# Altium PCB DMP_SEM_MAIN_PCB.PcbDoc (part 1 of 2) (continued)
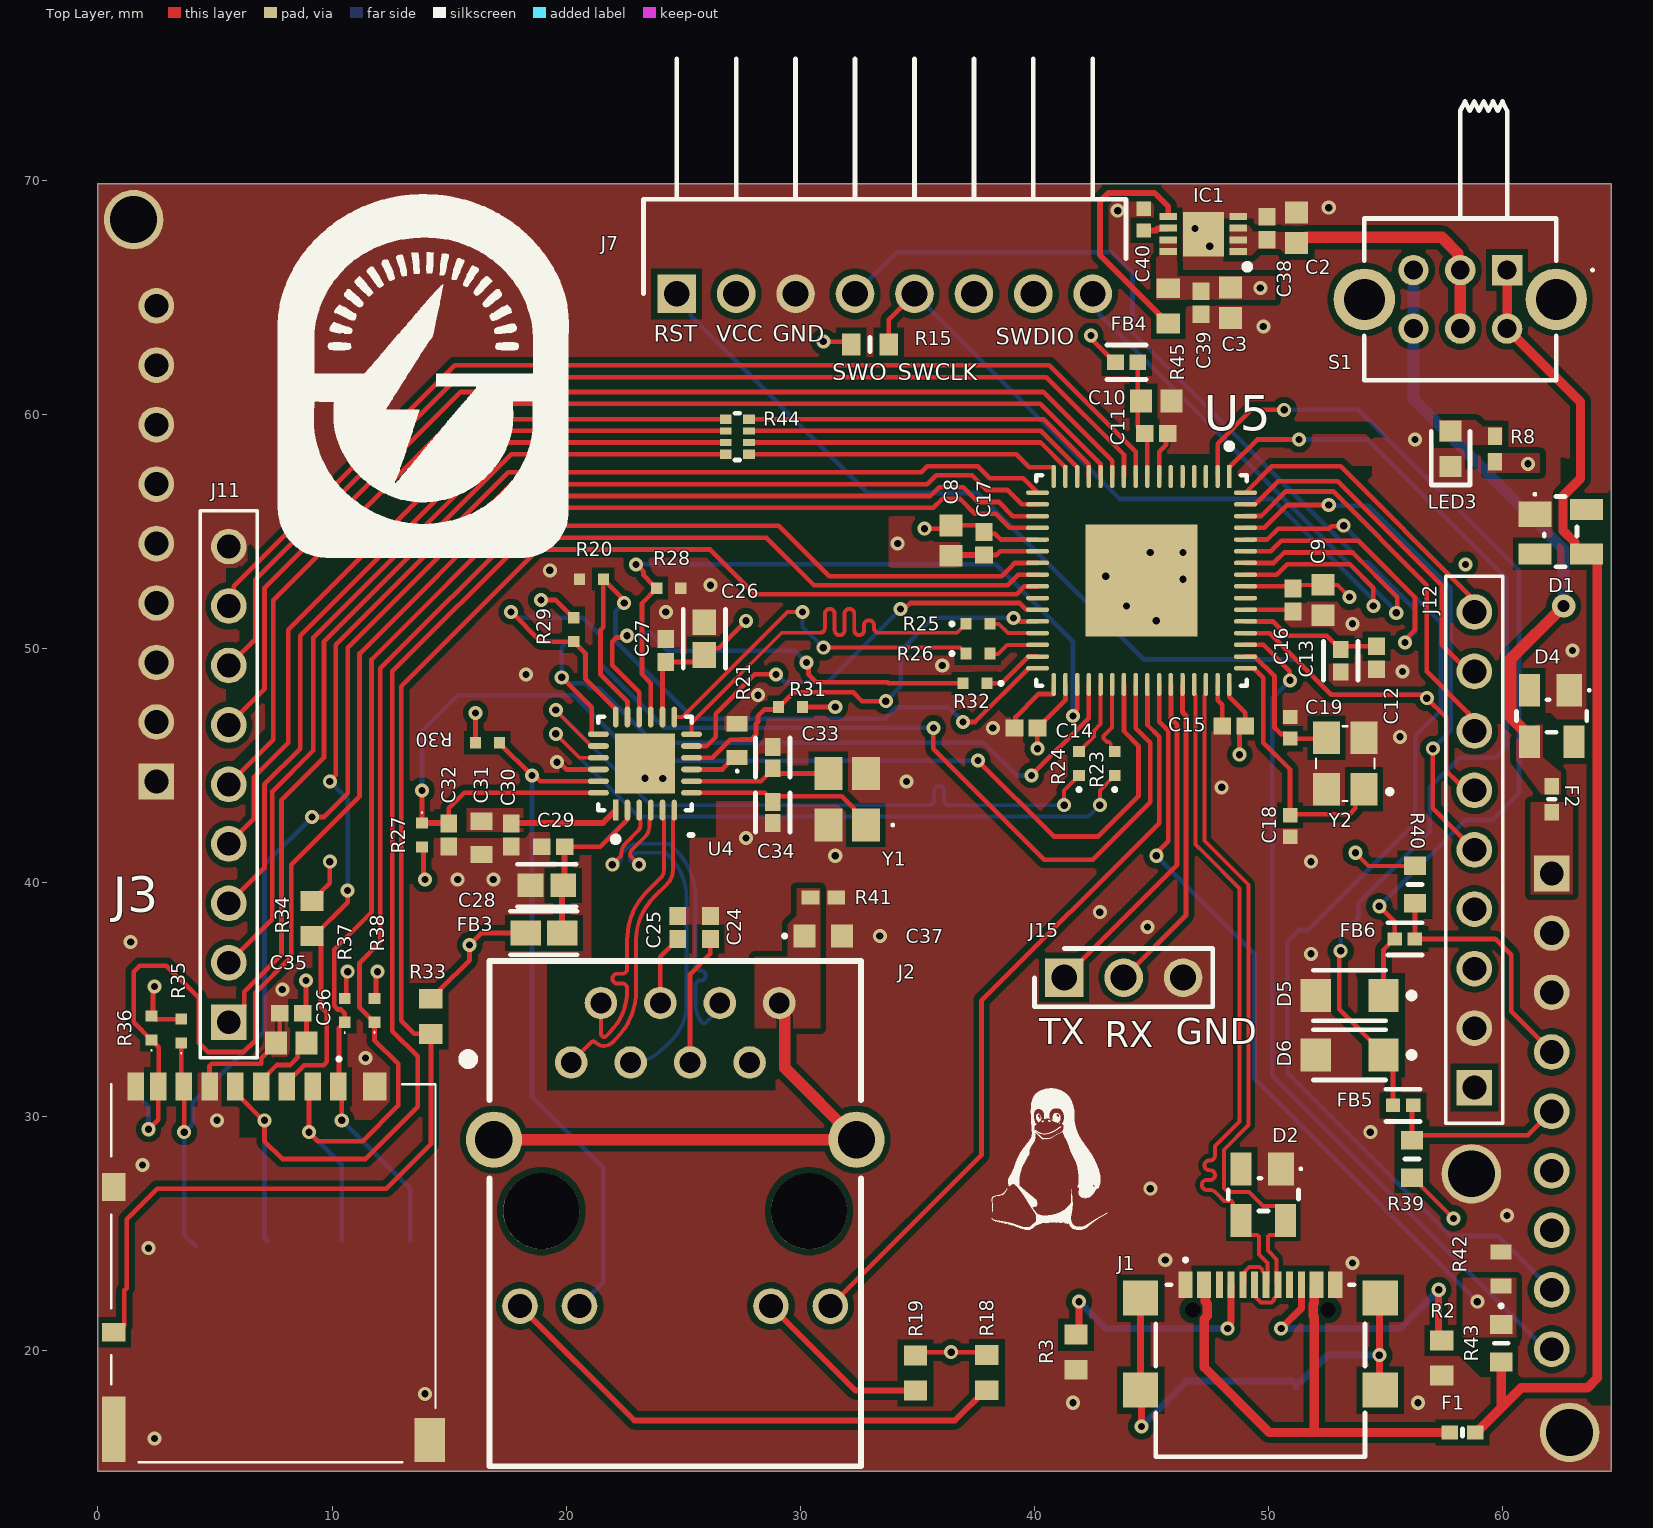
[diagram p0: Top Layer view]
## Design rules (kind name [scope] priority, off if disabled: settings) (continued)
Clearance Clearance_1 [All] p15: gap=0.1 ignorepadtopadclearanceinfootprint=TRUE ismatrix=TRUE miname0=TX mitype0=3 miname1=USB_DIF mitype1=3 miname2=GND mitype2=1 miname3=RX mitype3=3
ComponentClearance [All] p1: gap=0.1 collisioncheckmode=3 verticalgap=2540 showdistances=FALSE
DiffPairsRouting DiffPairsRouting_ETH_MDI [InDifferentialPair('RX') Or InDifferentialPair('TX')] p1: maxlimit=0.22 minlimit=0.22 mostfreqgap=0.22 toplayer_minwidth=0.165 toplayer_maxwidth=0.165 toplayer_prefwidth=0.165 bottomlayer_minwidth=0.165 bottomlayer_maxwidth=0.165 bottomlayer_prefwidth=0.165 impedanceprofiledriven=TRUE impedanceprofileid={DD440624-A423-4B7E-90B2-B6E437B0659A} impedanceprofilevalue=90.000000 maxuncoupledlength=12.7
DiffPairsRouting DiffPairsRouting_USB [InDifferentialPair('USB_DIF')] p2: maxlimit=0.22 minlimit=0.22 mostfreqgap=0.22 toplayer_minwidth=0.165 toplayer_maxwidth=0.165 toplayer_prefwidth=0.165 bottomlayer_minwidth=0.165 bottomlayer_maxwidth=0.165 bottomlayer_prefwidth=0.165 impedanceprofiledriven=TRUE impedanceprofileid={DD440624-A423-4B7E-90B2-B6E437B0659A} impedanceprofilevalue=90.000000 maxuncoupledlength=12.7
DiffPairsRouting DifferentialPairsRouting_1 [InDifferentialPair('RX')] p3: maxlimit=0.22 minlimit=0.22 mostfreqgap=0.22 toplayer_minwidth=0.165 toplayer_maxwidth=0.165 toplayer_prefwidth=0.165 bottomlayer_minwidth=0.165 bottomlayer_maxwidth=0.165 bottomlayer_prefwidth=0.165 impedanceprofiledriven=TRUE impedanceprofileid={DD440624-A423-4B7E-90B2-B6E437B0659A} impedanceprofilevalue=90.000000 maxuncoupledlength=0.254
DiffPairsRouting DifferentialPairsRouting_2 [InDifferentialPair('TX')] p4: maxlimit=0.22 minlimit=0.22 mostfreqgap=0.22 toplayer_minwidth=0.165 toplayer_maxwidth=0.165 toplayer_prefwidth=0.165 bottomlayer_minwidth=0.165 bottomlayer_maxwidth=0.165 bottomlayer_prefwidth=0.165 impedanceprofiledriven=TRUE impedanceprofileid={DD440624-A423-4B7E-90B2-B6E437B0659A} impedanceprofilevalue=90.000000 maxuncoupledlength=0.254
HoleSize [All] p1: absolutevalues=TRUE maxlimit=4 minlimit=0.025 maxpercent=80.000 minpercent=20.000
MatchedLengths DiffPair_MatchedLengths [InDifferentialPair('RX')] p1: tolerance=0.01 checknetsindiffpair=TRUE checkdiffpairvsdiffpair=FALSE checkxsignals=FALSE checkothers=FALSE
MatchedLengths MatchedLengths_2 [InDifferentialPair('USB_DIF')] p2: tolerance=0.001 checknetsindiffpair=TRUE checkdiffpairvsdiffpair=FALSE checkxsignals=FALSE checkothers=FALSE usedelayunits=TRUE delaytolerance=30.000000
MatchedLengths MatchedLengths_1 [InDifferentialPair('TX')] p3: tolerance=0.001 checknetsindiffpair=TRUE checkdiffpairvsdiffpair=FALSE checkxsignals=FALSE checkothers=FALSE
MatchedLengths [InDifferentialPairClass('All Differential Pairs')] p4: tolerance=0.001 checknetsindiffpair=TRUE checkdiffpairvsdiffpair=FALSE checkxsignals=FALSE checkothers=FALSE usedelayunits=TRUE delaytolerance=30.000000
MaxMinImpedance MaxMinImpedance_1 [InNet('D_N')] p1: minimum=90.00 maximum=90.00
MaxMinImpedance MaxMinImpedance_2 [InNet('D_P')] p2: minimum=90.00 maximum=90.00
MaxMinImpedance MaxMinImpedance_3 [InNet('RX_N')] p3: minimum=89.00 maximum=110.0
MaxMinImpedance MaxMinImpedance_4 [InNet('RX_P')] p4: minimum=89.00 maximum=110.0
MaxMinImpedance MaxMinImpedance_5 [InNet('TX_N')] p5: minimum=89.00 maximum=110.0
MaxMinImpedance MaxMinImpedance_6 [InNet('TX_P')] p6: minimum=89.00 maximum=110.0
MaxMinImpedance MaxMinImpedance_7 [InDifferentialPair('RX')] p7: minimum=89.00 maximum=91.00
MaxMinImpedance MaxMinImpedance_8 [InDifferentialPair('USB_DIF')] p8: minimum=89.00 maximum=51.00
MaxMinImpedance MaxMinImpedance_9 [InDifferentialPair('TX')] p9: minimum=89.00 maximum=91.00
MinimumSolderMaskSliver [All] p1: minsoldermaskwidth=0.01
PlaneClearance [All] p1: clearance=0.508
PlaneConnect [All] p1: planeconnectstyle=Direct reliefexpansion=0.508 reliefentries=4 reliefconductorwidth=0.254 reliefairgap=0.254
PolygonConnect PolygonConnectStyle_1 [InNet('+5')] p1: connectstyle=Direct reliefconductorwidth=0.254 reliefentries=4 polygonreliefangle="90 Angle" airgapwidth=0.254
PolygonConnect PolygonConnectStyle_2 [InNet('1V2')] p2: connectstyle=Direct reliefconductorwidth=0.254 reliefentries=4 polygonreliefangle="90 Angle" airgapwidth=0.254
PolygonConnect PolygonConnectStyle_3 [InNet('GND')] p3: connectstyle=Direct reliefconductorwidth=0.254 reliefentries=4 polygonreliefangle="90 Angle" airgapwidth=0.254
PolygonConnect PolygonConnectStyle_4 [InNet('VCC')] p4: connectstyle=Direct reliefconductorwidth=0.254 reliefentries=4 polygonreliefangle="90 Angle" airgapwidth=0.254
PolygonConnect PolygonConnectStyle_5 [InNet('RJ45_GND')] p5: connectstyle=Direct reliefconductorwidth=0.254 reliefentries=4 polygonreliefangle="90 Angle" airgapwidth=0.254
PolygonConnect PolygonConnectStyle_6 [InNet('USB_VBUS_SENSE')] p6: connectstyle=Direct reliefconductorwidth=0.254 reliefentries=4 polygonreliefangle="90 Angle" airgapwidth=0.254
PolygonConnect [All] p7: connectstyle=Direct reliefconductorwidth=0.254 reliefentries=4 polygonreliefangle="90 Angle" airgapwidth=0.254
RoutingVias [All] p1: holewidth=0.3 width=0.6 viastyle="Through Hole" minholewidth=0.3 minwidth=0.6 maxholewidth=0.711 maxwidth=1.27
SilkToSolderMaskClearance [IsPad] p1: minsilkscreentomaskgap=0.005 clearancetoexposedcopper=TRUE
SolderMaskExpansion [All] p1: expansion=0.102 istentingtop=FALSE
UnpouredPolygon UnpouredPolygon_1 [All] p1: allowshelved=TRUE
UnpouredPolygon [All] p2:
Width [InNet('NetR25_1') Or InNet('NetR26_1') Or InNet('NetR24_1') Or InNet('NetR23_1') Or InNet('ETH_RX0') Or InNet('ETH_RX1') Or InNet('ETH_TX0') Or InNet('ETH_TX1')] p1: maxlimit=0.165 minlimit=0.165 preferedwidth=0.165 minimp=50.000000 maximp=50.000000 favimp=50.000000
22 further rules are at their usual default settings.

## Classes and differential pairs
component class DMP_SEM_SDCARD: C35 C36 D7 D8 D9 D10 D11 J3 R33 R34 R35 R36 R37 R38
component class DMP_SEM_POWER: C1 C2 C3 C38 C39 C40 D1 D2 F1 IC1 J1 J7 LED3 R1 R2 R3 R8 R15 R42 R43 R45 S1
component class DMP_SEM_MCU: C8 C9 C10 C11 C12 C13 C14 C15 C16 C17 C18 C19 D4 D5 D6 F2 FB4 FB5 FB6 J11 J12 J13 J14 J15 R39 R40 R44 U5 Y2
component class DMP_SEM_ETHERNET: C24 C25 C26 C27 C28 C29 C30 C31 C32 C33 C34 C37 FB3 J2 R18 R19 R20 R21 R22 R23 R24 R25 R26 R27 R28 R29 R30 R31 R32 R41 U4 Y1
differential pair USB_DIF: +D_P -D_N
differential pair TX: +TX_P -TX_N
differential pair RX: +RX_P -RX_N

## Components (designator, comment, footprint, x,y, rotation, side; value= is the part's Value field where it differs from the comment)
C1 "47nF" C0603 48.895,17.907 r270 bottom
C2 "10uF" CAPC1608X95N 51.205,67.972 r90 top
C3 "10uF" CAPC1608X95N 48.387,64.77 r270 top
C8 "10uF" CAPC1608X95N 36.449,54.61 r270 top
C9 "10uF" CAPC1608X95N 52.324,52.07 r270 top
C10 "10uF" CAPC1608X95N 45.212,60.579 r0 top
C11 "100nF" CAPC1050X55X23ML05T13#1 45.212,59.182 r0 top
C12 "100nF" CAPC1050X55X23ML05T13#1 54.614,49.605 r270 top
C13 "4.7uF" FP-CL828-IPC_A 53.09,49.478 r270 top
C14 "100nF" CAPC1050X55X23ML05T13#1 39.642,46.609 r0 top
C15 "100nF" CAPC1050X55X23ML05T13#1 48.518,46.684 r0 top
C16 "100nF" CAPC1050X55X23ML05T13#1 51.054,52.07 r90 top
C17 "100nF" CAPC1050X55X23ML05T13#2 37.846,54.483 r90 top
C18 "12pF" CAPC1005X55N 50.927,42.418 r270 top
C19 "12pF" CAPC1005X55N 50.927,46.609 r90 top
C24 "100nF" CAPC1050X55X23ML05T13#1 26.162,38.082 r90 top
C25 "100nF" CAPC1050X55X23ML05T13#1 24.765,38.082 r90 top
C26 "22uF" FP-GRM188-0_2-IPC_B 25.908,50.419 r90 top
C27 "100nF" CAPC1050X55X23ML05T13#1 24.257,49.911 r270 top
C28 "22uF" FP-GRM188-0_2-IPC_B 19.177,39.878 r180 top
C29 "100nF" CAPC1050X55X23ML05T13#1 19.449,41.529 r0 top
C30 "100nF" CAPC1050X55X23ML05T13#1 17.653,42.037 r90 top
C31 "2.2uF" CAPC1608X90N 16.383,41.91 r270 top
C32 "100nF" CAPC1050X55X23ML05T13#1 14.986,42.037 r270 top
C33 "12pF" C0402C120J5GACTU 28.829,45.339 r270 top value="12 pF"
C34 "12pF" C0402C120J5GACTU 28.829,42.999 r90 top value="12 pF"
C35 "100nF" CAPC1050X55X23ML05T13#1 8.255,34.417 r0 top
C36 "10uF" CAPC1608X95N 8.255,33.147 r180 top
C37 "47nF" C0603 30.988,37.719 r0 top
C38 "100nF" CAPC1050X55X23ML05T13#1 49.935,67.957 r270 top
C39 "100nF" CAPC1050X55X23ML05T13#1 47.117,64.77 r270 top
C40 "1uF" CAPC1005X55N 44.667,68.327 r90 top
D1 "SP0503BAHTG" LFUS-SOT143-4_V 62.484,54.991 r0 top
D2 "SP0503BAHTG" LFUS-SOT143-4_V 49.784,26.67 r270 top
D4 "SP0503BAHTG" LFUS-SOT143-4_V 62.103,47.117 r270 top
D5 "SMF3.3" FP-SMF3_3-MFG 53.467,35.179 r180 top
D6 "SMF3.3" FP-SMF3_3-MFG 53.467,32.639 r180 top
D7 "SMF3.3" FP-SMF3_3-MFG 4.191,22.987 r270 bottom
D8 "SMF3.3" FP-SMF3_3-MFG 1.651,32.385 r90 bottom
D9 "SMF3.3" FP-SMF3_3-MFG 10.414,23.241 r270 bottom
D10 "SMF3.3" FP-SMF3_3-MFG 13.335,23.241 r270 bottom
D11 "SMF3.3" FP-SMF3_3-MFG 7.239,23.241 r270 bottom
F1 "0435.500KRHFS" FUSC1005X43N 58.293,16.51 r0 top
F2 "0435.500KRHFS" FUSC1005X43N 62.103,43.561 r90 top
FB3 "470Ω@100MHz" BLM18PG471SN1D 19.05,37.846 r180 top
FB4 "80Ω@100MHz" FP-BLM15-0_05-IPC_A 43.942,62.23 r0 top
FB5 "1k@100MHz" FP-BLM15-0_05-IPC_B 55.753,30.48 r180 top
FB6 "1k@100MHz" FP-BLM15-0_05-IPC_B 55.832,37.592 r180 top
IC1 "MCP1725-3302E_MC" SON50P300X200X100-9N-D 47.222,67.708 r180 top
J1 "GSB1C41110SSHR" GSB1C41110SSHR 49.657,19.431 r0 top
J2 "HFJ11-2450E-L12RL" HFJ11-2450E-L11RL 16.72,15.066 r0 top
J3 "DM3AT-SF-PEJM5" DM3ATSFPEJM5 7.493,23.876 r0 top
J7 "61300811021" HDRRA8W64P0X254_1X8_2032X254X254P 24.721,65.151 r0 top
J11 "SSW-109-01-S-S" SAMTEC_SSW-109-01-S-S 5.588,54.356 r90 top
J12 "SSW-109-01-S-S" SAMTEC_SSW-109-01-S-S 58.801,51.562 r90 top
J13 "SSW-109-01-S-S" SAMTEC_SSW-109-01-S-S 2.495,64.643 r90 bottom
J14 "SSW-109-01-S-S" SAMTEC_SSW-109-01-S-S 62.103,20.066 r270 bottom
J15 "HTSW-103-07-F-S" HDRV3W64P0X254_1X3_762X248X838P 41.275,35.941 r180 top
LED3 "GREEN" LEDC1608X40N 57.785,58.535 r90 top
R1 "1M" RESC1005X40N 51.181,17.907 r270 bottom
R2 "10k" RESC1608X50N 57.404,19.685 r270 top
R3 "10k" RESC1608X50N 41.783,19.939 r270 top
R8 "150" RESC1005X40N 59.69,58.523 r270 top
R15 "1k" RESC1608X55N 32.982,62.992 r180 top
R18 "220" RESC1608X50N 37.973,19.062 r90 top
R19 "220" RESC1608X50N 34.925,19.05 r90 top
R20 "2k" ERA2AED122X 21.078,52.963 r180 top
R21 "6.49k" ERA3AEB101V 27.305,46.064 r90 top
R22 "10k" RESC1608X50N 19.177,50.169 r180 bottom
R23 "33" ERJS02_U02_(0402) 43.434,45.085 r90 top
R24 "33" ERJS02_U02_(0402) 41.91,45.085 r90 top
R25 "33" ERJS02_U02_(0402) 37.592,51.054 r0 top
R26 "33" ERJS02_U02_(0402) 37.592,49.784 r0 top
R27 "100k" ERJ2RKD1004X 13.843,42.037 r270 top
R28 "2k" ERA2AED122X 24.384,52.578 r180 top
R29 "2k" ERA2AED122X 20.32,50.804 r270 top
R30 "2k" ERA2AED122X 16.633,45.974 r0 top
R31 "2k" ERA2AED122X 29.591,47.498 r180 top
R32 "33" ERJS02_U02_(0402) 37.465,48.514 r180 top
R33 "10k" RESC1608X50N 14.224,34.29 r90 top
R34 "10k" RESC1608X50N 9.144,38.469 r90 top
R35 "100k" ERJ2RKD1004X 3.556,33.655 r90 top
R36 "100k" ERJ2RKD1004X 2.286,33.782 r90 top
R37 "100k" ERJ2RKD1004X 10.541,34.544 r90 top
R38 "100k" ERJ2RKD1004X 11.811,34.544 r90 top
R39 "4.7k" RESC1608X55N 56.134,28.194 r270 top
R40 "4.7k" RESC1608X55N 56.261,39.916 r90 top
R41 "1M" RESC1005X40N 30.988,39.37 r0 top
R42 "47.5k" ERJP03_PA3_(0603) 59.944,23.495 r90 top
R43 "30k" RESC1608X55N 59.944,20.32 r90 top
R44 "22" CAY10-XXXJ4 27.313,59.051 r270 top
R45 "10k" RESC1608X50N 45.72,64.643 r90 top
S1 "SLW-826947-5A-RA-D" SLW8269475ARAD 60.198,66.167 r180 top
U4 "KSZ8091RNACA-TR" FP-QFN44-24LD-PL-1-IPC_A 23.368,45.085 r90 top
U5 "ATSAME53J20A-MU" FP-PA-IPC_A 44.581,52.907 r270 top
Y1 "25MHz" LFXTAL071758Cutt 32.004,43.561 r90 top
Y2 "12MHz" ABM8W480000MHZ6D1XT3 53.594,45.085 r90 top

## Footprints (in the part's own frame and the unit in brackets; to place one, negate y for a bottom-side part, rotate by r counter-clockwise, add the part's x,y. Pads: shape width x height; smd on the part's side, far side on the other; paste and mask are expansions set on the pad)
ABM8W480000MHZ6D1XT3 [mm]
  rect 1.4x1.15 smd: 1(-1.1,-0.488) 2(1.1,-0.488) 3(1.1,1.113) 4(-1.1,1.113)
  silkscreen extent -1.6,-1.69 1.6,1.56, body extent -1.6,-0.94 1.6,1.56, height 0.75
BLM18PG471SN1D [mm]
  rect 1.306x1.058 smd paste+0 mask+0: 1(-0.776,0) 2(0.776,0)
  silkscreen extent -1.43,-0.93 1.43,0.93, body extent -1.93,-1.03 1.93,1.03, height 0.25
C0402C120J5GACTU [mm]
  rect 0.765x0.672 smd paste+0 mask+0: 1(-0.454,0) 2(0.454,0)
  silkscreen extent -0.84,-0.74 0.84,0.74, body extent -1.04,-0.54 1.04,0.54, height 0.25
C0603 [mm]
  rect 0.95x1 smd: 1(-0.8,0) 2(0.8,0)
  silkscreen extent -1.7,-0.05 -1.6,0.05, body extent -0.87,-0.48 0.88,0.47, height 0.87
CAPC1005X55N [mm]
  rect 0.6x0.62 smd: 1(-0.46,0) 2(0.46,0)
  body extent -0.52,-0.28 0.53,0.27, height 0.55
CAPC1050X55X23ML05T13#1 [mm] "Chip Capacitor, 2-Leads, Body 1.05x0.55mm, IPC Low Density"
  rect 0.76x0.72 smd: 1(-0.49,0) 2(0.49,0)
  body extent -0.53,-0.28 0.53,0.28, height 0.55
CAPC1050X55X23ML05T13#2 [mm] "Chip Capacitor, 2-Leads, Body 1.05x0.55mm, IPC Low Density"
  rect 0.72x0.76 smd: 1(-0.49,0)
  rect 0.76x0.72 smd: 2(0.49,0)
  body extent -0.53,-0.28 0.53,0.27, height 0.55
CAPC1608X90N [mm]
  rect 0.73x0.94 smd: 1(-0.71,0) 2(0.71,0)
  body extent -0.8,-0.4 0.8,0.4, height 0.9
CAPC1608X95N [mm]
  rect 0.93x0.98 smd: 1(-0.65,0) 2(0.65,0)
  body extent -0.8,-0.4 0.8,0.4, height 0.95
CAY10-XXXJ4 [mm]
  rect 0.4x0.5 smd: 1(-0.75,-0.5) 4(0.75,-0.5) 5(0.75,0.5) 8(-0.75,0.5)
  rect 0.3x0.5 smd: 2(-0.25,-0.5) 3(0.25,-0.5) 6(0.25,0.5) 7(-0.25,0.5)
  silkscreen extent -1,-0.1 1,0.1, body extent -1,-0.5 1,0.5, height 0.34
DM3ATSFPEJM5 [mm]
  rect 0.7x1.2 smd: 1(2.775,7.412) 2(1.675,7.412) 3(0.575,7.412) 4(-0.525,7.412) 5(-1.625,7.412) 6(-2.725,7.412) 7(-3.825,7.412) 8(-4.925,7.412) MP2(-5.875,7.412)
  rect 1x1.2 smd: MP1(4.325,7.412) MP3(-6.825,3.112)
  rect 1x0.8 smd: MP4(-6.825,-3.087)
  rect 1x2.8 smd: MP5(-6.825,-7.237)
  rect 1.3x1.9 smd: MP6(6.675,-7.688)
  silkscreen extent -6.93,-8.64 6.93,8.64, body extent -6.98,-8.47 6.97,7.69, height 1.68
ERA2AED122X [mm]
  rect 0.475x0.5 smd: 1(-0.512,0) 2(0.512,0)
  body extent -0.5,-0.25 0.5,0.25, height 0.35
ERA3AEB101V [mm]
  rect 0.65x0.9 smd: 1(-0.725,0) 2(0.725,0)
  silkscreen extent -1.35,-0.05 -1.25,0.05, body extent -0.8,-0.4 0.8,0.4, height 0.45
ERJ2RKD1004X [mm]
  rect 0.475x0.5 smd: 1(-0.512,0) 2(0.512,0)
  silkscreen extent -0.97,-0.03 -0.93,0.03, body extent -0.5,-0.25 0.5,0.25, height 0.35
ERJP03_PA3_(0603) [mm]
  rect 0.65x0.9 smd: 1(-0.725,0) 2(0.725,0)
  silkscreen extent -1.62,-0.05 -1.53,0.05, body extent -0.8,-0.4 0.8,0.4, height 0.45
ERJS02_U02_(0402) [mm]
  rect 0.475x0.5 smd: 1(-0.513,0) 2(0.513,0)
  silkscreen extent -1.16,-0.05 -1.06,0.05, body extent -0.5,-0.25 0.5,0.25, height 0.35
FP-BLM15-0_05-IPC_A [mm]
  rect 0.715x0.672 smd paste+0 mask+0: 1(-0.479,0) 2(0.479,0)
  silkscreen extent -0.84,-0.74 0.84,0.74, body extent -1.04,-0.54 1.04,0.54, height 0.25
FP-BLM15-0_05-IPC_B [mm]
  rect 0.615x0.572 smd paste+0 mask+0: 1(-0.429,0) 2(0.429,0)
  silkscreen extent -0.74,-0.69 0.74,0.69, body extent -0.89,-0.44 0.89,0.44, height 0.25
FP-CL828-IPC_A [mm]
  rect 0.715x0.672 smd paste+0 mask+0: 1(-0.479,0) 2(0.479,0)
  silkscreen extent -0.84,-0.74 0.84,0.74, body extent -1.04,-0.54 1.04,0.54, height 0.25
FP-GRM188-0_2-IPC_B [mm]
  rect 1.105x1.006 smd paste+0 mask+0: 1(-0.701,0) 2(0.701,0)
  silkscreen extent -1.25,-0.9 1.25,0.9, body extent -1.5,-0.75 1.5,0.75, height 0.25
FP-PA-IPC_A [mm]
  rect 0.989x0.192 smd paste+0 mask+0: 1(-4.441,3.75)
  rrect100% 0.989x0.192 smd paste+0 mask+0: 2(-4.441,3.25) 3(-4.441,2.75) 4(-4.441,2.25) 5(-4.441,1.75) 6(-4.441,1.25) 7(-4.441,0.75) 8(-4.441,0.25) 9(-4.441,-0.25) 10(-4.441,-0.75) 11(-4.441,-1.25) 12(-4.441,-1.75) 13(-4.441,-2.25) 14(-4.441,-2.75) 15(-4.441,-3.25) 16(-4.441,-3.75) 33(4.441,-3.75) 34(4.441,-3.25) 35(4.441,-2.75) 36(4.441,-2.25) 37(4.441,-1.75) 38(4.441,-1.25) 39(4.441,-0.75) 40(4.441,-0.25) 41(4.441,0.25) 42(4.441,0.75) 43(4.441,1.25) 44(4.441,1.75) 45(4.441,2.25) 46(4.441,2.75) 47(4.441,3.25) 48(4.441,3.75)
  rrect100% 0.192x0.989 smd paste+0 mask+0: 17(-3.75,-4.441) 18(-3.25,-4.441) 19(-2.75,-4.441) 20(-2.25,-4.441) 21(-1.75,-4.441) 22(-1.25,-4.441) 23(-0.75,-4.441) 24(-0.25,-4.441) 25(0.25,-4.441) 26(0.75,-4.441) 27(1.25,-4.441) 28(1.75,-4.441) 29(2.25,-4.441) 30(2.75,-4.441) 31(3.25,-4.441) 32(3.75,-4.441) 49(3.75,4.441) 50(3.25,4.441) 51(2.75,4.441) 52(2.25,4.441) 53(1.75,4.441) 54(1.25,4.441) 55(0.75,4.441) 56(0.25,4.441) 57(-0.25,4.441) 58(-0.75,4.441) 59(-1.25,4.441) 60(-1.75,4.441) 61(-2.25,4.441) 62(-2.75,4.441) 63(-3.25,4.441) 64(-3.75,4.441)
  rect 4.8x4.8 smd paste-1000 mask+0: 65(0,0)
  silkscreen extent -5.86,-4.5 4.5,4.5, body extent -5.44,-5.44 5.44,5.44, height 0.25
FP-QFN44-24LD-PL-1-IPC_A [mm]
  rect 0.894x0.242 smd paste+0 mask+0: 1(-1.989,1.25)
  rrect100% 0.894x0.242 smd paste+0 mask+0: 2(-1.989,0.75) 3(-1.989,0.25) 4(-1.989,-0.25) 5(-1.989,-0.75) 6(-1.989,-1.25) 13(1.989,-1.25) 14(1.989,-0.75) 15(1.989,-0.25) 16(1.989,0.25) 17(1.989,0.75) 18(1.989,1.25)
  rrect100% 0.242x0.894 smd paste+0 mask+0: 7(-1.25,-1.989) 8(-0.75,-1.989) 9(-0.25,-1.989) 10(0.25,-1.989) 11(0.75,-1.989) 12(1.25,-1.989) 19(1.25,1.989) 20(0.75,1.989) 21(0.25,1.989) 22(-0.25,1.989) 23(-0.75,1.989) 24(-1.25,1.989)
  rect 2.55x2.55 smd paste-1000 mask+0: 25(0,0)
  silkscreen extent -3.36,-2 2,2, body extent -2.94,-2.94 2.94,2.94, height 0.25
FP-SMF3_3-MFG [mm]
  rect 1.3x1.4 smd paste+0 mask+0: 1(-1.45,0) 2(1.45,0)
  silkscreen extent -2.78,-1.07 1.55,1.07, body extent -2.2,-1.1 2.2,1.1, height 0.25
FUSC1005X43N [mm]
  rect 0.7x0.61 smd: 1(-0.55,0) 2(0.55,0)
  silkscreen extent 0,-0.15 0,0.15, body extent -0.5,-0.25 0.5,0.25, height 0.43
GSB1C41110SSHR [mm]
  rect 0.6x1.15 smd: A1(-3.2,3.39) A4(-2.4,3.39) A9(2.4,3.39) A12(3.2,3.39)
  rect 0.3x1.15 smd: A5(-1.25,3.39) A6(-0.25,3.39) A7(0.25,3.39) A8(1.25,3.39) B5(1.75,3.39) B6(0.75,3.39) B7(-0.75,3.39) B8(-1.75,3.39)
  round 0.325 hole 0.65 unplated: MH1(-2.89,2.315) MH2(2.89,2.315)
  rect 1.5x1.5 smd: MP1(-5.12,2.815) MP2(5.12,2.815) MP3(-5.12,-1.115) MP4(5.12,-1.115)
  silkscreen extent -4.47,-3.97 4.47,4.5, body extent -5.67,-4.09 5.67,3.51, height 3.12
HDRRA8W64P0X254_1X8_2032X254X254P [mm]
  rect 1.65x1.65 hole 1.1: 1(0,0)
  round 1.65 hole 1.1: 2(2.54,0) 3(5.08,0) 4(7.62,0) 5(10.16,0) 6(12.7,0) 7(15.24,0) 8(17.78,0)
  silkscreen extent -1.42,0 19.2,10.04, body extent -1.42,-0.32 19.2,10.04, height 2.54
HDRV3W64P0X254_1X3_762X248X838P [mm]
  rect 1.65x1.65 hole 1.1: 1(0,0)
  round 1.65 hole 1.1: 2(-2.54,0) 3(-5.08,0)
  silkscreen extent -6.35,-1.24 1.27,1.24, body extent -6.35,-1.24 1.27,1.24, height 8.38
HFJ11-2450E-L11RL [mm]
  round 1.39 hole 0.89: 1(3.495,17.25) 2(4.765,19.79) 3(6.035,17.25) 4(7.305,19.79) 5(8.575,17.25) 6(9.845,19.79) 7(11.115,17.25) 8(12.385,19.79)
  round 1.52 hole 1.02: 9(1.31,6.84) 10(3.85,6.84) 11(12.03,6.84) 12(14.57,6.84)
  round 2.4 hole 1.6: 13(0.195,13.95) 16(15.685,13.95)
  round 3.25 hole 3.25 unplated: 14(2.225,10.9) 15(13.655,10.9)
  silkscreen extent -1.08,0 15.88,21.59, body extent -1.52,0.09 17.2,21.68, height 16.01
LEDC1608X40N [mm]
  rect 0.9x0.95 smd: 1(-0.75,0) 2(0.75,0)
  silkscreen extent -1.55,-0.82 0.75,0.82
LFUS-SOT143-4_V [mm] "SOT143, 4-Leads, Body 3.04x1.4mm, Pitch 1.90mm"
  rect 1.4x1.1 smd: 1(-1.1,0.75)
  rect 1.4x0.9 smd: 2(-1.1,-0.95) 3(1.1,-0.95) 4(1.1,0.95)
  silkscreen extent -1.15,-1.5 0.7,1.65, body extent -0.7,-1.52 0.7,1.52, height 1.22
LFXTAL071758Cutt [mm]
  rect 1.4x1.2 smd: 1(-1.1,-0.8) 2(1.1,-0.8) 3(1.1,0.8) 4(-1.1,0.8)
  silkscreen extent -1.15,-2 -1.05,-1.9, body extent -1.68,-1.28 1.68,1.28, height 0.9
RESC1005X40N [mm]
  rect 0.75x0.6 smd: 1(-0.55,0) 2(0.55,0)
  body extent -0.5,-0.25 0.5,0.25, height 0.4
RESC1608X50N [mm]
  rect 0.85x1 smd: 1(-0.75,0) 2(0.75,0)
  body extent -0.5,-0.25 0.5,0.25, height 0.35
RESC1608X55N [mm]
  rect 0.8x0.95 smd: 1(-0.8,0) 2(0.8,0)
  silkscreen extent 0,-0.3 0,0.3, body extent -0.8,-0.4 0.8,0.4, height 0.55
SAMTEC_SSW-109-01-S-S [mil]
  rect 60x60 hole 40: 1(-800,0)
  round 60 hole 40: 2(-700,0) 3(-600,0) 4(-500,0) 5(-400,0) 6(-300,0) 7(-200,0) 8(-100,0) 9(0,0)
  silkscreen extent -860,-48 60,48, body extent -860,-47 60,47, height 335
SLW8269475ARAD [mm]
  rect 1.3x1.3 hole 0.8: 1(0,0)
  round 1.3 hole 0.8: 2(2,0) 3(4,0) 4(0,2.5) 5(2,2.5) 6(4,2.5)
  round 2.625 hole 1.75: MH1(-2.1,1.25) MH2(6.1,1.25)
  silkscreen extent -3.7,-7.2 6.1,4.7, body extent -4.28,-3.45 4.28,8.45
SON50P300X200X100-9N-D [mm]
  rect 0.75x0.3 smd: 1(-1.5,0.75) 2(-1.5,0.25) 3(-1.5,-0.25) 4(-1.5,-0.75) 5(1.5,-0.75) 6(1.5,-0.25) 7(1.5,0.25) 8(1.5,0.75)
  rect 1.75x1.9 smd: 9(0,0)
  silkscreen extent -2,1.28 -1.75,1.52, body extent -1.55,-1 1.55,1, height 1
